# Altium PCB STM32F207VC.PcbDoc (part 15 of 16)
Units mm, origin at the board's own origin, x right, y up, seen from the top; angles counter-clockwise.
Board outline 99.19 x 99.95 mm, 2 copper layers (Top Layer, Bottom Layer); 127 components, 125 nets, 570 pads, 172 vias.
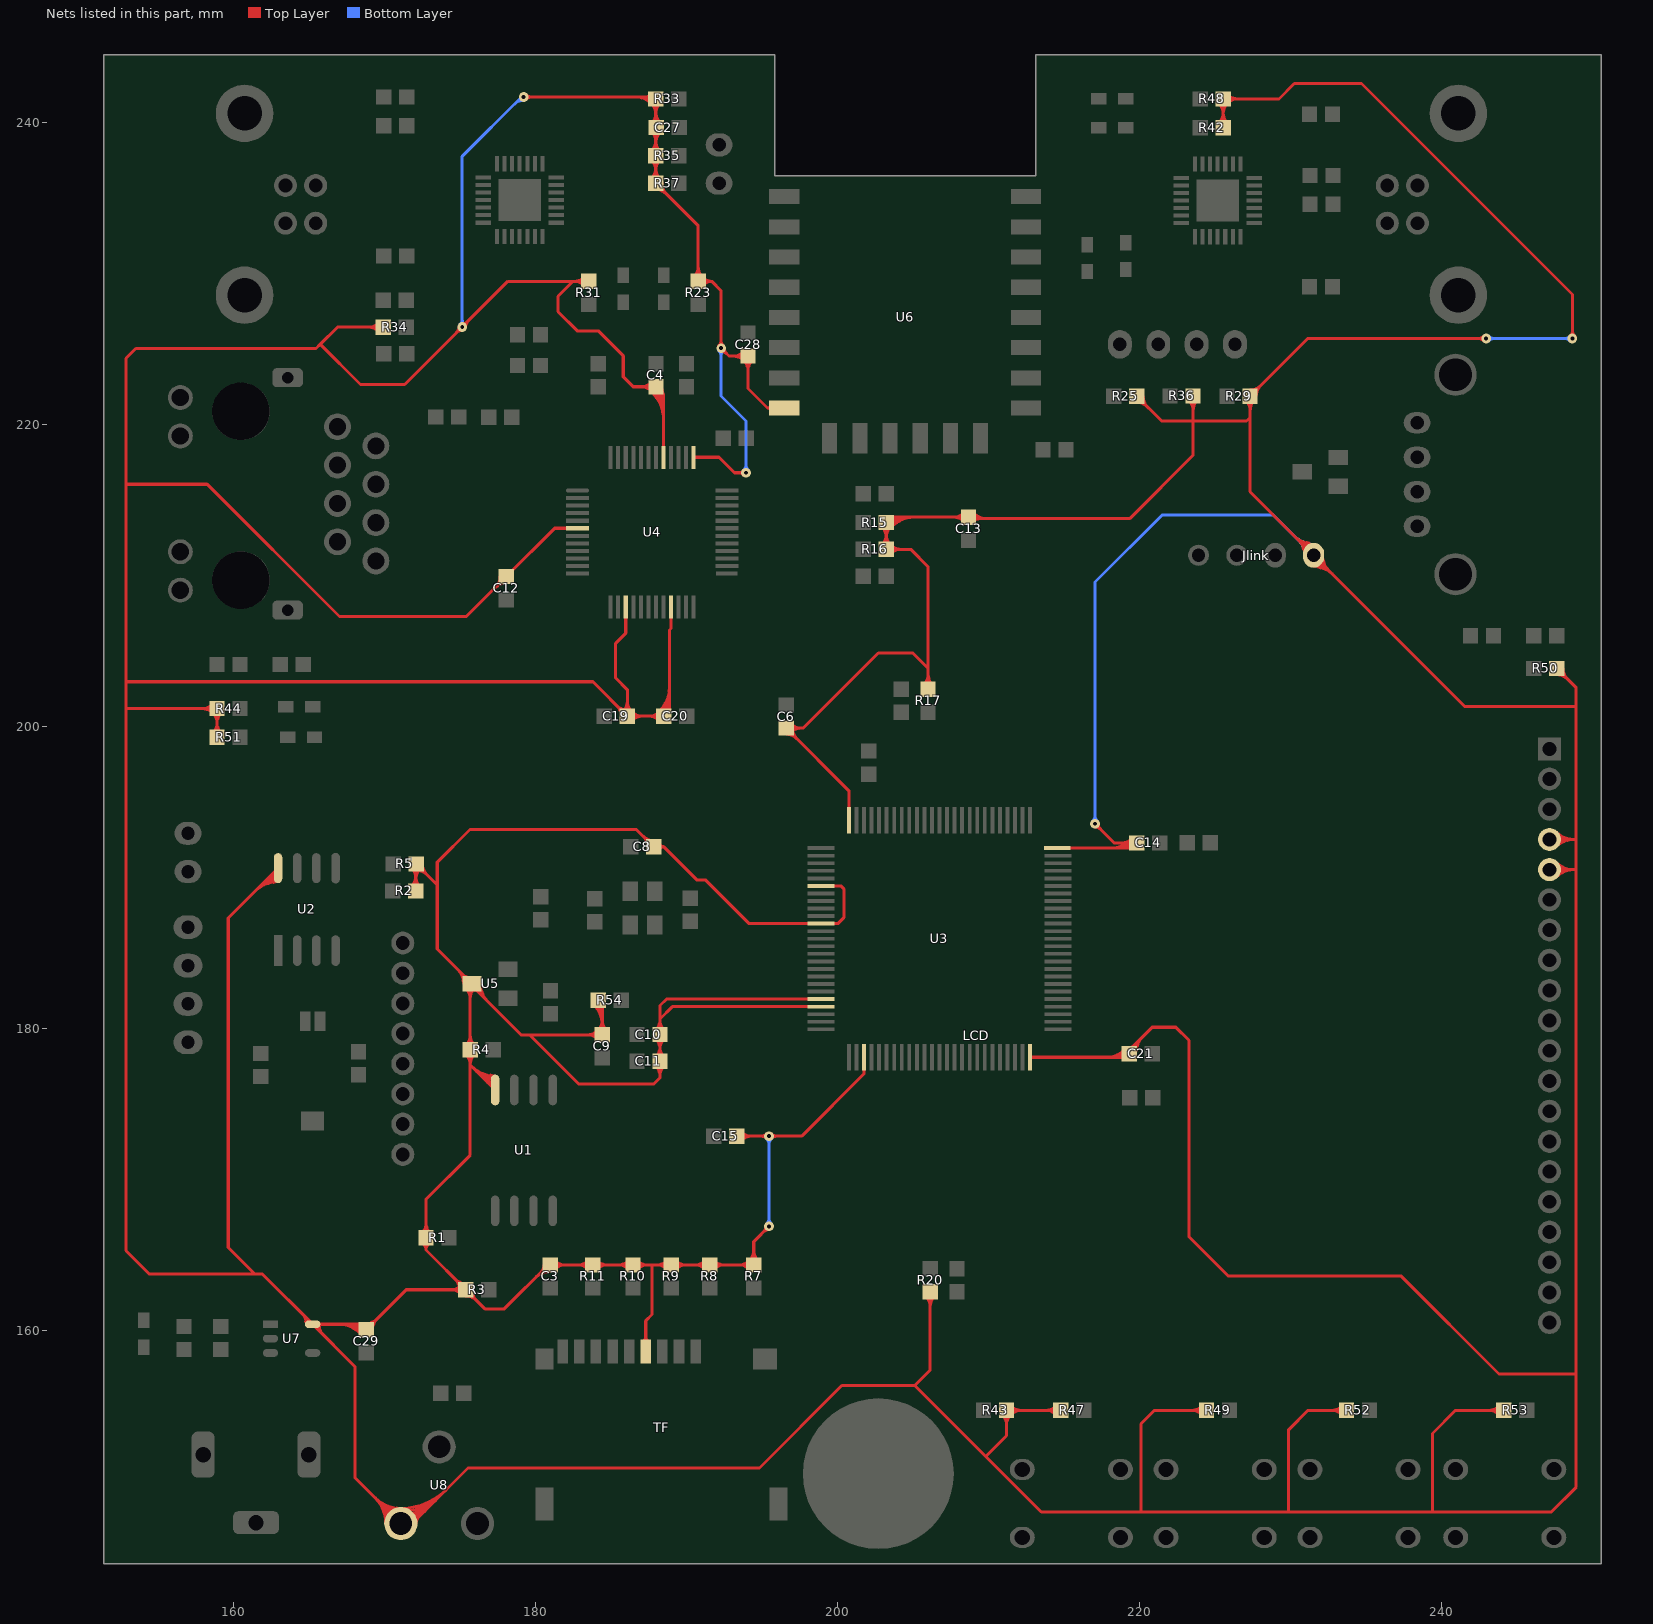
[diagram p15: the nets of this part, all layers, seen from the top]

## Via types
v1: diameter 0.635, hole 0.254, Top Layer to Bottom Layer, tented both sides, 152 vias
v2: diameter 0.635, hole 0.406, Top Layer to Bottom Layer, 18 vias
v3: diameter 1, hole 1, Top Layer to Bottom Layer, 2 vias

## Nets (pads, with @x,y where several pads share a name; then routed paths per layer and width w, separated by ;. In a path a pad name is that pad's centre, name@x,y a point inside that pad or via, vN(x,y) a via of type N, cw(c..) or ccw(c..) an arc to the next point about the centre after c; other vN are vias at no path point) (continued)
VCC3.3: (continued)
  Top Layer w0.203: C27.2@187.69,239.368 cw(c187.08,238.758) 187.943,238.758 ; C27.2@187.69,239.942 ccw(c187.08,240.552) 187.943,240.552 ; C27.2@187.69,239.942 ccw(c187.08,240.552) 187.943,240.552 ; C27.2@187.69,239.942 ccw(c187.08,240.552) 187.943,240.552 ; C27.2@187.69,239.942 ccw(c187.08,240.552) 187.943,240.552 ; C8.2@187.816,192.018 188.474,192.018 ; C4.1@187.822,222.343 cw(c186.27,220.79) 188.465,220.79 ; C4.1@187.822,222.343 cw(c186.27,220.79) 188.465,220.79 ; C4.1@187.822,222.343 cw(c186.27,220.79) 188.465,220.79 ; C4.1@187.822,222.343 cw(c186.27,220.79) 188.465,220.79 ; C4.1@187.866,222.093 cw(c187.79,221.793) 188.056,221.951 ; C4.1@187.866,222.093 cw(c187.79,221.793) 188.056,221.951 ; C4.1@187.866,222.093 cw(c187.79,221.793) 188.056,221.951 ; C4.1@187.866,222.093 cw(c187.79,221.793) 188.056,221.951 ; C4.1@187.866,222.093 cw(c187.79,221.793) 188.056,221.951 ; C4.1@187.866,222.093 cw(c187.79,221.793) 188.056,221.951 ; 187.878,221.918 cw(c188.216,222.157) C4.1@187.966,222.487 ; 187.878,221.918 cw(c188.216,222.157) C4.1@187.966,222.487 ; 187.878,221.918 cw(c188.216,222.157) C4.1@187.966,222.487 ; 187.878,221.918 cw(c188.216,222.157) C4.1@187.966,222.487 ; 187.878,221.918 cw(c188.216,222.157) C4.1@187.966,222.487 ; C4.1@187.892,222.087 cw(c187.753,221.345) 188.407,221.722 ; C4.1@187.892,222.087 cw(c187.753,221.345) 188.407,221.722 ; C4.1@187.892,222.087 cw(c187.753,221.345) 188.407,221.722 ; C4.1@187.892,222.087 cw(c187.753,221.345) 188.407,221.722 ; C4.1@187.892,222.087 cw(c187.753,221.345) 188.407,221.722 ; C4.1@187.892,222.087 cw(c187.753,221.345) 188.407,221.722 ; R37.2@187.943,235.566 cw(c187.943,234.584) 188.636,235.278 ; R37.2@187.943,235.566 cw(c187.943,234.584) 188.636,235.278 ; R37.2@187.943,235.566 cw(c187.943,234.584) 188.636,235.278 ; R37.2@187.943,235.566 cw(c187.943,234.584) 188.636,235.278 ; R37.2@187.943,235.972 cw(c187.8,235.276) 188.486,235.46 ; R37.2@187.943,235.972 cw(c187.8,235.276) 188.486,235.46 ; R37.2@187.943,235.972 ccw(c188.638,236.114) 188.455,235.428 ; R37.2@187.943,235.972 ccw(c188.638,236.114) 188.455,235.428 ; R37.2@187.943,235.972 cw(c187.8,235.276) 188.486,235.46 ; R37.2@187.943,235.972 ccw(c188.638,236.114) 188.455,235.428 ; R37.2@187.943,235.972 ccw(c188.638,236.114) 188.455,235.428 ; R37.2@187.943,235.972 ccw(c188.638,236.114) 188.455,235.428 ; R37.2@187.943,235.972 ccw(c188.638,236.114) 188.455,235.428 ; R37.2@187.943,235.972 cw(c187.8,235.276) 188.486,235.46 ; R37.2@187.943,235.972 cw(c187.8,235.276) 188.486,235.46 ; R37.2@187.943,235.972 cw(c187.8,235.276) 188.486,235.46 ; R37.2@187.943,235.972 190.76,233.155 R23.2@190.76,229.464 191.668,229.464 ; 187.943,236.811 cw(c188.924,236.811) R35.1@188.23,237.505 ; 187.943,236.811 cw(c188.924,236.811) R35.1@188.23,237.505 ; 187.943,236.811 cw(c188.924,236.811) R35.1@188.23,237.505 ; 187.943,236.811 cw(c188.924,236.811) R35.1@188.23,237.505 ; 187.943,236.953 ccw(c188.924,236.953) R37.2@188.23,236.259 ; 187.943,236.953 ccw(c188.924,236.953) R37.2@188.23,236.259 ; 187.943,236.953 ccw(c188.924,236.953) R37.2@188.23,236.259 ; 187.943,236.953 ccw(c188.924,236.953) R37.2@188.23,236.259 ; 187.943,238.59 cw(c189.042,238.59) C27.2@188.265,239.368 ; 187.943,238.59 cw(c189.042,238.59) C27.2@188.265,239.368 ; 187.943,238.59 cw(c189.042,238.59) C27.2@188.265,239.368 ; 187.943,238.59 cw(c189.042,238.59) C27.2@188.265,239.368 ; 187.943,238.773 ccw(c188.924,238.773) R35.1@188.23,238.08 ; 187.943,238.773 ccw(c188.924,238.773) R35.1@188.23,238.08 ; 187.943,238.773 ccw(c188.924,238.773) R35.1@188.23,238.08 ; 187.943,238.773 ccw(c188.924,238.773) R35.1@188.23,238.08 ; 187.943,239.08 cw(c188.552,239.08) C27.2@188.121,239.511 ; 187.943,239.08 cw(c188.552,239.08) C27.2@188.121,239.511 ; 187.943,239.08 cw(c188.552,239.08) C27.2@188.121,239.511 ; 187.943,239.08 cw(c188.552,239.08) C27.2@188.121,239.511 ; 187.943,240.229 ccw(c188.552,240.229) C27.2@188.121,239.799 ; 187.943,240.229 ccw(c188.552,240.229) C27.2@188.121,239.799 ; 187.943,240.229 ccw(c188.552,240.229) C27.2@188.121,239.799 ; 187.943,240.229 ccw(c188.552,240.229) C27.2@188.121,239.799 ; 187.943,240.567 cw(c188.924,240.567) R33.1@188.23,241.261 ; 187.943,240.567 cw(c188.924,240.567) R33.1@188.23,241.261 ; 187.943,240.567 cw(c188.924,240.567) R33.1@188.23,241.261 ; 187.943,240.567 cw(c188.924,240.567) R33.1@188.23,241.261 ; 187.943,240.72 ccw(c189.042,240.72) C27.2@188.265,239.942 ; 187.943,240.72 ccw(c189.042,240.72) C27.2@188.265,239.942 ; 187.943,240.72 ccw(c189.042,240.72) C27.2@188.265,239.942 ; 187.943,240.72 ccw(c189.042,240.72) C27.2@188.265,239.942 ; C11.1@187.944,177.519 cw(c187.25,176.825) 188.231,176.825 ; C11.1@187.944,177.519 cw(c187.25,176.825) 188.231,176.825 ; C11.1@187.944,177.519 cw(c187.25,176.825) 188.231,176.825 ; C11.1@187.944,177.519 cw(c187.25,176.825) 188.231,176.825 ; C11.1@187.944,178.093 ccw(c187.25,178.787) 188.231,178.787 ; C11.1@187.944,178.093 ccw(c187.25,178.787) 188.231,178.787 ; C11.1@187.944,178.093 ccw(c187.25,178.787) 188.231,178.787 ; C11.1@187.944,178.093 ccw(c187.25,178.787) 188.231,178.787 ; C10.1@187.944,179.297 cw(c187.25,178.603) 188.231,178.603 ; C10.1@187.944,179.297 cw(c187.25,178.603) 188.231,178.603 ; C10.1@187.944,179.297 cw(c187.25,178.603) 188.231,178.603 ; C10.1@187.944,179.297 cw(c187.25,178.603) 188.231,178.603 ; C10.1@187.944,179.871 ccw(c187.25,180.565) 188.231,180.565 ; C10.1@187.944,179.871 ccw(c187.25,180.565) 188.231,180.565 ; C10.1@187.944,179.871 ccw(c187.25,180.565) 188.231,180.565 ; C10.1@187.944,179.871 ccw(c187.25,180.565) 188.231,180.565 ; C4.1@187.966,222.487 cw(c186.76,221.281) 188.465,221.281 ; C4.1@187.966,222.487 ccw(c188.329,222.321) 188.157,221.96 ; C4.1@187.966,222.487 cw(c186.76,221.281) 188.465,221.281 ; C4.1@187.966,222.487 cw(c186.76,221.281) 188.465,221.281 ; C4.1@187.966,222.487 ccw(c188.329,222.321) 188.157,221.96 ; C4.1@187.966,222.487 ccw(c188.329,222.321) 188.157,221.96 ; C4.1@187.966,222.487 ccw(c188.329,222.321) 188.157,221.96 ; C4.1@187.966,222.487 cw(c186.76,221.281) 188.465,221.281 ; 187.999,221.746 cw(c188.342,221.989) C4.1@188.089,222.325 ; 187.999,221.746 cw(c188.342,221.989) C4.1@188.089,222.325 ; 187.999,221.746 cw(c188.342,221.989) C4.1@188.089,222.325 ; 187.999,221.746 cw(c188.342,221.989) C4.1@188.089,222.325 ; 187.999,221.746 cw(c188.342,221.989) C4.1@188.089,222.325 ; 188.001,164.321 cw(c188.001,163.339) R9.2@188.695,164.033 ; 188.001,164.321 ccw(c188.001,165.302) R9.2@188.695,164.608 ; 188.001,164.321 cw(c188.001,163.339) R9.2@188.695,164.033 ; 188.001,164.321 ccw(c188.001,165.302) R9.2@188.695,164.608 ; 188.001,164.321 ccw(c188.001,165.302) R9.2@188.695,164.608 ; 188.001,164.321 cw(c188.001,163.339) R9.2@188.695,164.033 ; 188.001,164.321 ccw(c188.001,165.302) R9.2@188.695,164.608 ; 188.001,164.321 cw(c188.001,163.339) R9.2@188.695,164.033 ; C4.1@188.11,222.63 cw(c187.251,221.772) 188.465,221.772 ; C4.1@188.11,222.63 cw(c187.251,221.772) 188.465,221.772 ; C4.1@188.11,222.63 cw(c187.251,221.772) 188.465,221.772 ; C4.1@188.11,222.63 cw(c187.251,221.772) 188.465,221.772 ; 188.12,221.575 cw(c188.469,221.822) C4.1@188.211,222.163 ; 188.12,221.575 cw(c188.469,221.822) C4.1@188.211,222.163 ; 188.12,221.575 cw(c188.469,221.822) C4.1@188.211,222.163 ; 188.12,221.575 cw(c188.469,221.822) C4.1@188.211,222.163 ; 188.12,221.575 cw(c188.469,221.822) C4.1@188.211,222.163 ; C4.1@188.12,222.619 cw(c187.475,222.066) C4.1@188.322,222 ; C4.1@188.12,222.619 cw(c187.475,222.066) C4.1@188.322,222 ; C4.1@188.12,222.619 cw(c187.475,222.066) C4.1@188.322,222 ; C4.1@188.12,222.619 cw(c187.475,222.066) C4.1@188.322,222 ; C4.1@188.141,222.384 ccw(c188.633,222.096) 188.143,221.804 ; C4.1@188.141,222.384 ccw(c188.633,222.096) 188.143,221.804 ; C4.1@188.141,222.384 ccw(c188.633,222.096) 188.143,221.804 ; C4.1@188.141,222.384 ccw(c188.633,222.096) 188.143,221.804 ; C4.1@188.141,222.384 ccw(c188.633,222.096) 188.143,221.804 ; C4.1@188.141,222.384 ccw(c188.633,222.096) 188.143,221.804 ; C8.2@188.179,191.836 cw(c188.474,191.688) 188.474,192.018 ; C8.2@188.179,191.836 cw(c188.474,191.688) 188.474,192.018 ; C8.2@188.179,191.836 cw(c188.474,191.688) 188.474,192.018 ; C8.2@188.179,191.836 cw(c188.474,191.688) 188.474,192.018 ; C8.2@188.179,192.2 ccw(c188.474,192.348) 188.474,192.018 ; C8.2@188.179,192.2 ccw(c188.474,192.348) 188.474,192.018 ; C8.2@188.179,192.2 ccw(c188.474,192.348) 188.474,192.018 ; C8.2@188.179,192.2 ccw(c188.474,192.348) 188.474,192.018 ; C20.2@188.198,200.953 ccw(c186.596,202.556) 188.862,202.556 ; C20.2@188.198,200.953 ccw(c186.596,202.556) 188.862,202.556 ; C20.2@188.198,200.953 ccw(c186.596,202.556) 188.862,202.556 ; C20.2@188.198,200.953 ccw(c186.596,202.556) 188.862,202.556 ; 188.231,176.825 cw(c189.213,176.825) C11.1@188.519,177.519 ; 188.231,176.825 cw(c189.213,176.825) C11.1@188.519,177.519 ; 188.231,176.825 cw(c189.213,176.825) C11.1@188.519,177.519 ; 188.231,176.825 cw(c189.213,176.825) C11.1@188.519,177.519 ; 188.231,178.603 cw(c189.213,178.603) C10.1@188.519,179.297 ; 188.231,178.603 cw(c189.213,178.603) C10.1@188.519,179.297 ; 188.231,178.603 cw(c189.213,178.603) C10.1@188.519,179.297 ; 188.231,178.603 cw(c189.213,178.603) C10.1@188.519,179.297 ; 188.231,178.787 ccw(c189.213,178.787) C11.1@188.519,178.093 ; 188.231,178.787 ccw(c189.213,178.787) C11.1@188.519,178.093 ; 188.231,178.787 ccw(c189.213,178.787) C11.1@188.519,178.093 ; 188.231,178.787 ccw(c189.213,178.787) C11.1@188.519,178.093 ; 188.231,180.565 ccw(c189.213,180.565) C10.1@188.519,179.871 ; 188.231,180.565 ccw(c189.213,180.565) C10.1@188.519,179.871 ; 188.231,180.565 ccw(c189.213,180.565) C10.1@188.519,179.871 ; 188.231,180.565 ccw(c189.213,180.565) C10.1@188.519,179.871 ; C4.1@188.317,222.281 ccw(c188.971,221.897) 188.319,221.509 ; C4.1@188.317,222.281 ccw(c188.971,221.897) 188.319,221.509 ; C4.1@188.317,222.281 ccw(c188.971,221.897) 188.319,221.509 ; C4.1@188.317,222.281 ccw(c188.971,221.897) 188.319,221.509 ; C4.1@188.317,222.281 ccw(c188.971,221.897) 188.319,221.509 ; C4.1@188.317,222.281 ccw(c188.971,221.897) 188.319,221.509 ; C20.2@188.342,200.81 ccw(c187.086,202.065) 188.862,202.065 ; C20.2@188.342,200.81 ccw(c187.086,202.065) 188.862,202.065 ; C20.2@188.342,200.81 ccw(c187.086,202.065) 188.862,202.065 ; C20.2@188.342,200.81 ccw(c187.086,202.065) 188.862,202.065 ; C4.1@188.349,222.351 ccw(c189.061,222.1) 188.407,221.722 ; C4.1@188.349,222.351 ccw(c189.061,222.1) 188.407,221.722 ; C4.1@188.349,222.351 ccw(c189.061,222.1) 188.407,221.722 ; C4.1@188.349,222.351 ccw(c189.061,222.1) 188.407,221.722 ; C4.1@188.349,222.351 ccw(c189.061,222.1) 188.407,221.722 ; C4.1@188.349,222.351 ccw(c189.061,222.1) 188.407,221.722 ; R37.2@188.349,235.972 ccw(c189.33,235.972) 188.636,235.278 ; R37.2@188.349,235.972 ccw(c189.33,235.972) 188.636,235.278 ; R37.2@188.349,235.972 ccw(c189.33,235.972) 188.636,235.278 ; R37.2@188.349,235.972 ccw(c189.33,235.972) 188.636,235.278 ; 188.376,201.222 ccw(c188.712,200.999) C20.2@188.485,200.666 ; 188.376,201.222 ccw(c188.712,200.999) C20.2@188.485,200.666 ; 188.376,201.222 ccw(c188.712,200.999) C20.2@188.485,200.666 ; 188.376,201.222 ccw(c188.712,200.999) C20.2@188.485,200.666 ; 188.376,201.222 ccw(c188.712,200.999) C20.2@188.485,200.666 ; 188.376,201.222 ccw(c188.712,200.999) C20.2@188.485,200.666 ; C20.2@188.38,201.058 ccw(c188.3,201.359) 188.569,201.203 ; C20.2@188.38,201.058 ccw(c188.3,201.359) 188.569,201.203 ; C20.2@188.38,201.058 ccw(c188.3,201.359) 188.569,201.203 ; C20.2@188.38,201.058 ccw(c188.3,201.359) 188.569,201.203 ; C20.2@188.38,201.058 ccw(c188.3,201.359) 188.569,201.203 ; C20.2@188.38,201.058 ccw(c188.3,201.359) 188.569,201.203 ; C20.2@188.485,200.666 ccw(c187.577,201.574) 188.862,201.574 ; C20.2@188.485,200.666 ccw(c187.577,201.574) 188.862,201.574 ; C20.2@188.485,200.666 ccw(c187.577,201.574) 188.862,201.574 ; C20.2@188.485,200.666 ccw(c187.577,201.574) 188.862,201.574 ; 188.49,201.394 ccw(c188.828,201.17) C20.2@188.6,200.834 ; 188.49,201.394 ccw(c188.828,201.17) C20.2@188.6,200.834 ; 188.49,201.394 ccw(c188.828,201.17) C20.2@188.6,200.834 ; 188.49,201.394 ccw(c188.828,201.17) C20.2@188.6,200.834 ; 188.49,201.394 ccw(c188.828,201.17) C20.2@188.6,200.834 ; 188.49,201.394 ccw(c188.828,201.17) C20.2@188.6,200.834 ; C20.2@188.506,201.072 ccw(c188.523,201.412) 188.818,201.242 ; C20.2@188.506,201.072 ccw(c188.523,201.412) 188.818,201.242 ; C20.2@188.506,201.072 ccw(c188.523,201.412) 188.818,201.242 ; C20.2@188.506,201.072 ccw(c188.523,201.412) 188.818,201.242 ; C20.2@188.506,201.072 ccw(c188.523,201.412) 188.818,201.242 ; C20.2@188.506,201.072 ccw(c188.523,201.412) 188.818,201.242 ; 188.6,201.257 ccw(c188.948,201.056) C20.2@188.641,200.797 ; 188.6,201.257 ccw(c188.948,201.056) C20.2@188.641,200.797 ; 188.6,201.257 ccw(c188.948,201.056) C20.2@188.641,200.797 ; 188.6,201.257 ccw(c188.948,201.056) C20.2@188.641,200.797 ; 188.6,201.257 ccw(c188.948,201.056) C20.2@188.641,200.797 ; 188.6,201.257 ccw(c188.948,201.056) C20.2@188.641,200.797 ; 188.603,201.566 ccw(c188.944,201.34) C20.2@188.714,201.002 ; 188.603,201.566 ccw(c188.944,201.34) C20.2@188.714,201.002 ; 188.603,201.566 ccw(c188.944,201.34) C20.2@188.714,201.002 ; 188.603,201.566 ccw(c188.944,201.34) C20.2@188.714,201.002 ; 188.603,201.566 ccw(c188.944,201.34) C20.2@188.714,201.002 ; 188.603,201.566 ccw(c188.944,201.34) C20.2@188.714,201.002 ; C20.2@188.629,200.522 ccw(c188.067,201.084) C20.2@188.862,201.084 ; C20.2@188.629,200.522 ccw(c188.067,201.084) C20.2@188.862,201.084 ; C20.2@188.629,200.522 ccw(c188.067,201.084) C20.2@188.862,201.084 ; C20.2@188.629,200.522 ccw(c188.067,201.084) C20.2@188.862,201.084 ; 188.745,201.507 ccw(c189.183,201.254) C20.2@188.796,200.928 ; 188.745,201.507 ccw(c189.183,201.254) C20.2@188.796,200.928 ; 188.745,201.507 ccw(c189.183,201.254) C20.2@188.796,200.928 ; 188.745,201.507 ccw(c189.183,201.254) C20.2@188.796,200.928 ; 188.745,201.507 ccw(c189.183,201.254) C20.2@188.796,200.928 ; 188.745,201.507 ccw(c189.183,201.254) C20.2@188.796,200.928 ; 188.818,201.242 ccw(c189.113,201.071) C20.2@188.827,200.886 ; 188.818,201.242 ccw(c189.113,201.071) C20.2@188.827,200.886 ; 188.818,201.242 ccw(c189.113,201.071) C20.2@188.827,200.886 ; 188.818,201.242 ccw(c189.113,201.071) C20.2@188.827,200.886 ; 188.818,201.242 ccw(c189.113,201.071) C20.2@188.827,200.886 ; 188.818,201.242 ccw(c189.113,201.071) C20.2@188.827,200.886 ; R9.2@189.269,164.033 cw(c189.963,163.339) 189.963,164.321 ; R9.2@189.269,164.033 cw(c189.963,163.339) 189.963,164.321 ; R9.2@189.269,164.033 cw(c189.963,163.339) 189.963,164.321 ; R9.2@189.269,164.033 cw(c189.963,163.339) 189.963,164.321 ; R9.2@189.269,164.608 ccw(c189.963,165.302) 189.963,164.321 ; R9.2@189.269,164.608 ccw(c189.963,165.302) 189.963,164.321 ; R9.2@189.269,164.608 ccw(c189.963,165.302) 189.963,164.321 ; R9.2@189.269,164.608 ccw(c189.963,165.302) 189.963,164.321 ; R23.2@190.473,229.751 ccw(c189.779,230.445) 190.76,230.445 ; R23.2@190.473,229.751 ccw(c189.779,230.445) 190.76,230.445 ; R23.2@190.473,229.751 ccw(c189.779,230.445) 190.76,230.445 ; R23.2@190.473,229.751 ccw(c189.779,230.445) 190.76,230.445 ; 190.541,164.321 cw(c190.541,163.339) R8.2@191.235,164.033 ; 190.541,164.321 ccw(c190.541,165.302) R8.2@191.235,164.608 ; 190.541,164.321 cw(c190.541,163.339) R8.2@191.235,164.033 ; 190.541,164.321 ccw(c190.541,165.302) R8.2@191.235,164.608 ; 190.541,164.321 ccw(c190.541,165.302) R8.2@191.235,164.608 ; 190.541,164.321 cw(c190.541,163.339) R8.2@191.235,164.033 ; 190.541,164.321 ccw(c190.541,165.302) R8.2@191.235,164.608 ; 190.541,164.321 cw(c190.541,163.339) R8.2@191.235,164.033 ; 190.76,230.445 ccw(c191.741,230.445) R23.2@191.047,229.751 ; 190.76,230.445 ccw(c191.741,230.445) R23.2@191.047,229.751 ; 190.76,230.445 ccw(c191.741,230.445) R23.2@191.047,229.751 ; 190.76,230.445 ccw(c191.741,230.445) R23.2@191.047,229.751 ; R23.2@191.063,229.193 cw(c191.668,228.652) 191.668,229.464 ; R23.2@191.063,229.193 cw(c191.668,228.652) 191.668,229.464 ; R23.2@191.063,229.193 cw(c191.668,228.652) 191.668,229.464 ; R23.2@191.063,229.193 cw(c191.668,228.652) 191.668,229.464 ; R23.2@191.063,229.734 ccw(c191.668,230.276) 191.668,229.464 ; R23.2@191.063,229.734 ccw(c191.668,230.276) 191.668,229.464 ; R23.2@191.063,229.734 ccw(c191.668,230.276) 191.668,229.464 ; R23.2@191.063,229.734 ccw(c191.668,230.276) 191.668,229.464 ; 191.668,229.464 192.278,228.854 v1(192.278,225.044) 192.803,224.519 C28.1@194.062,224.519 194.062,222.371 195.356,221.077 ; R8.2@191.809,164.033 cw(c192.503,163.339) 192.503,164.321 ; R8.2@191.809,164.033 cw(c192.503,163.339) 192.503,164.321 ; R8.2@191.809,164.033 cw(c192.503,163.339) 192.503,164.321 ; R8.2@191.809,164.033 cw(c192.503,163.339) 192.503,164.321 ; R8.2@191.809,164.608 ccw(c192.503,165.302) 192.503,164.321 ; R8.2@191.809,164.608 ccw(c192.503,165.302) 192.503,164.321 ; R8.2@191.809,164.608 ccw(c192.503,165.302) 192.503,164.321 ; R8.2@191.809,164.608 ccw(c192.503,165.302) 192.503,164.321 ; v1@192.125,225.197 ccw(c191.757,225.565) 192.278,225.565 ; v1@192.125,225.197 ccw(c191.757,225.565) 192.278,225.565 ; v1@192.125,225.197 ccw(c191.757,225.565) 192.278,225.565 ; v1@192.125,225.197 ccw(c191.757,225.565) 192.278,225.565 ; v1@192.275,225.032 cw(c192.198,224.652) 192.572,224.752 ; v1@192.275,225.032 cw(c192.198,224.652) 192.572,224.752 ; v1@192.275,225.032 cw(c192.198,224.652) 192.572,224.752 ; v1@192.275,225.032 cw(c192.198,224.652) 192.572,224.752 ; v1@192.275,225.032 cw(c192.198,224.652) 192.572,224.752 ; v1@192.275,225.032 cw(c192.198,224.652) 192.572,224.752 ; v1@192.278,224.828 cw(c192.278,224.307) 192.647,224.675 ; v1@192.278,224.828 cw(c192.278,224.307) 192.647,224.675 ; v1@192.278,224.828 cw(c192.278,224.307) 192.647,224.675 ; v1@192.278,224.828 cw(c192.278,224.307) 192.647,224.675 ; 192.278,225.565 ccw(c192.799,225.565) v1@192.431,225.197 ; 192.278,225.565 ccw(c192.799,225.565) v1@192.431,225.197 ; 192.278,225.565 ccw(c192.799,225.565) v1@192.431,225.197 ; 192.278,225.565 ccw(c192.799,225.565) v1@192.431,225.197 ; v1@192.29,225.047 ccw(c192.67,225.124) 192.57,224.75 ; v1@192.29,225.047 ccw(c192.67,225.124) 192.57,224.75 ; v1@192.29,225.047 ccw(c192.67,225.124) 192.57,224.75 ; v1@192.29,225.047 ccw(c192.67,225.124) 192.57,224.75 ; v1@192.29,225.047 ccw(c192.67,225.124) 192.57,224.75 ; v1@192.29,225.047 ccw(c192.67,225.124) 192.57,224.75 ; v1@192.494,225.044 ccw(c193.015,225.044) 192.647,224.675 ; v1@192.494,225.044 ccw(c193.015,225.044) 192.647,224.675 ; v1@192.494,225.044 ccw(c193.015,225.044) 192.647,224.675 ; v1@192.494,225.044 ccw(c193.015,225.044) 192.647,224.675 ; 193.081,224.519 cw(c193.081,223.537) C28.1@193.775,224.231 ; 193.081,224.519 ccw(c193.081,225.5) C28.1@193.775,224.806 ; 193.081,224.519 cw(c193.081,223.537) C28.1@193.775,224.231 ; 193.081,224.519 ccw(c193.081,225.5) C28.1@193.775,224.806 ; 193.081,224.519 ccw(c193.081,225.5) C28.1@193.775,224.806 ; 193.081,224.519 cw(c193.081,223.537) C28.1@193.775,224.231 ; 193.081,224.519 ccw(c193.081,225.5) C28.1@193.775,224.806 ; 193.081,224.519 cw(c193.081,223.537) C28.1@193.775,224.231 ; 193.408,216.789 cw(c193.408,216.268) v1@193.776,216.636 ; 193.408,216.789 ccw(c193.408,217.31) v1@193.776,216.942 ; 193.408,216.789 cw(c193.408,216.268) v1@193.776,216.636 ; 193.408,216.789 ccw(c193.408,217.31) v1@193.776,216.942 ; 193.408,216.789 ccw(c193.408,217.31) v1@193.776,216.942 ; 193.408,216.789 cw(c193.408,216.268) v1@193.776,216.636 ; 193.408,216.789 ccw(c193.408,217.31) v1@193.776,216.942 ; 193.408,216.789 cw(c193.408,216.268) v1@193.776,216.636 ; 193.462,164.321 cw(c193.462,163.339) R7.2@194.156,164.033 ; 193.462,164.321 ccw(c193.462,165.302) R7.2@194.156,164.608 ; 193.462,164.321 cw(c193.462,163.339) R7.2@194.156,164.033 ; 193.462,164.321 ccw(c193.462,165.302) R7.2@194.156,164.608 ; 193.462,164.321 ccw(c193.462,165.302) R7.2@194.156,164.608 ; 193.462,164.321 cw(c193.462,163.339) R7.2@194.156,164.033 ; 193.462,164.321 ccw(c193.462,165.302) R7.2@194.156,164.608 ; 193.462,164.321 cw(c193.462,163.339) R7.2@194.156,164.033 ; C15.1@193.599,172.566 cw(c194.293,171.872) 194.293,172.853 ; C15.1@193.599,172.566 cw(c194.293,171.872) 194.293,172.853 